# Altium PCB PlacaBase_agus.PcbDoc (part 2 of 2)
Units mm, origin at the board's own origin, x right, y up, seen from the top; angles counter-clockwise.
Board outline 97 x 84 mm, 2 copper layers (Top Layer, Bottom Layer); 60 components, 90 nets, 320 pads, 136 vias.
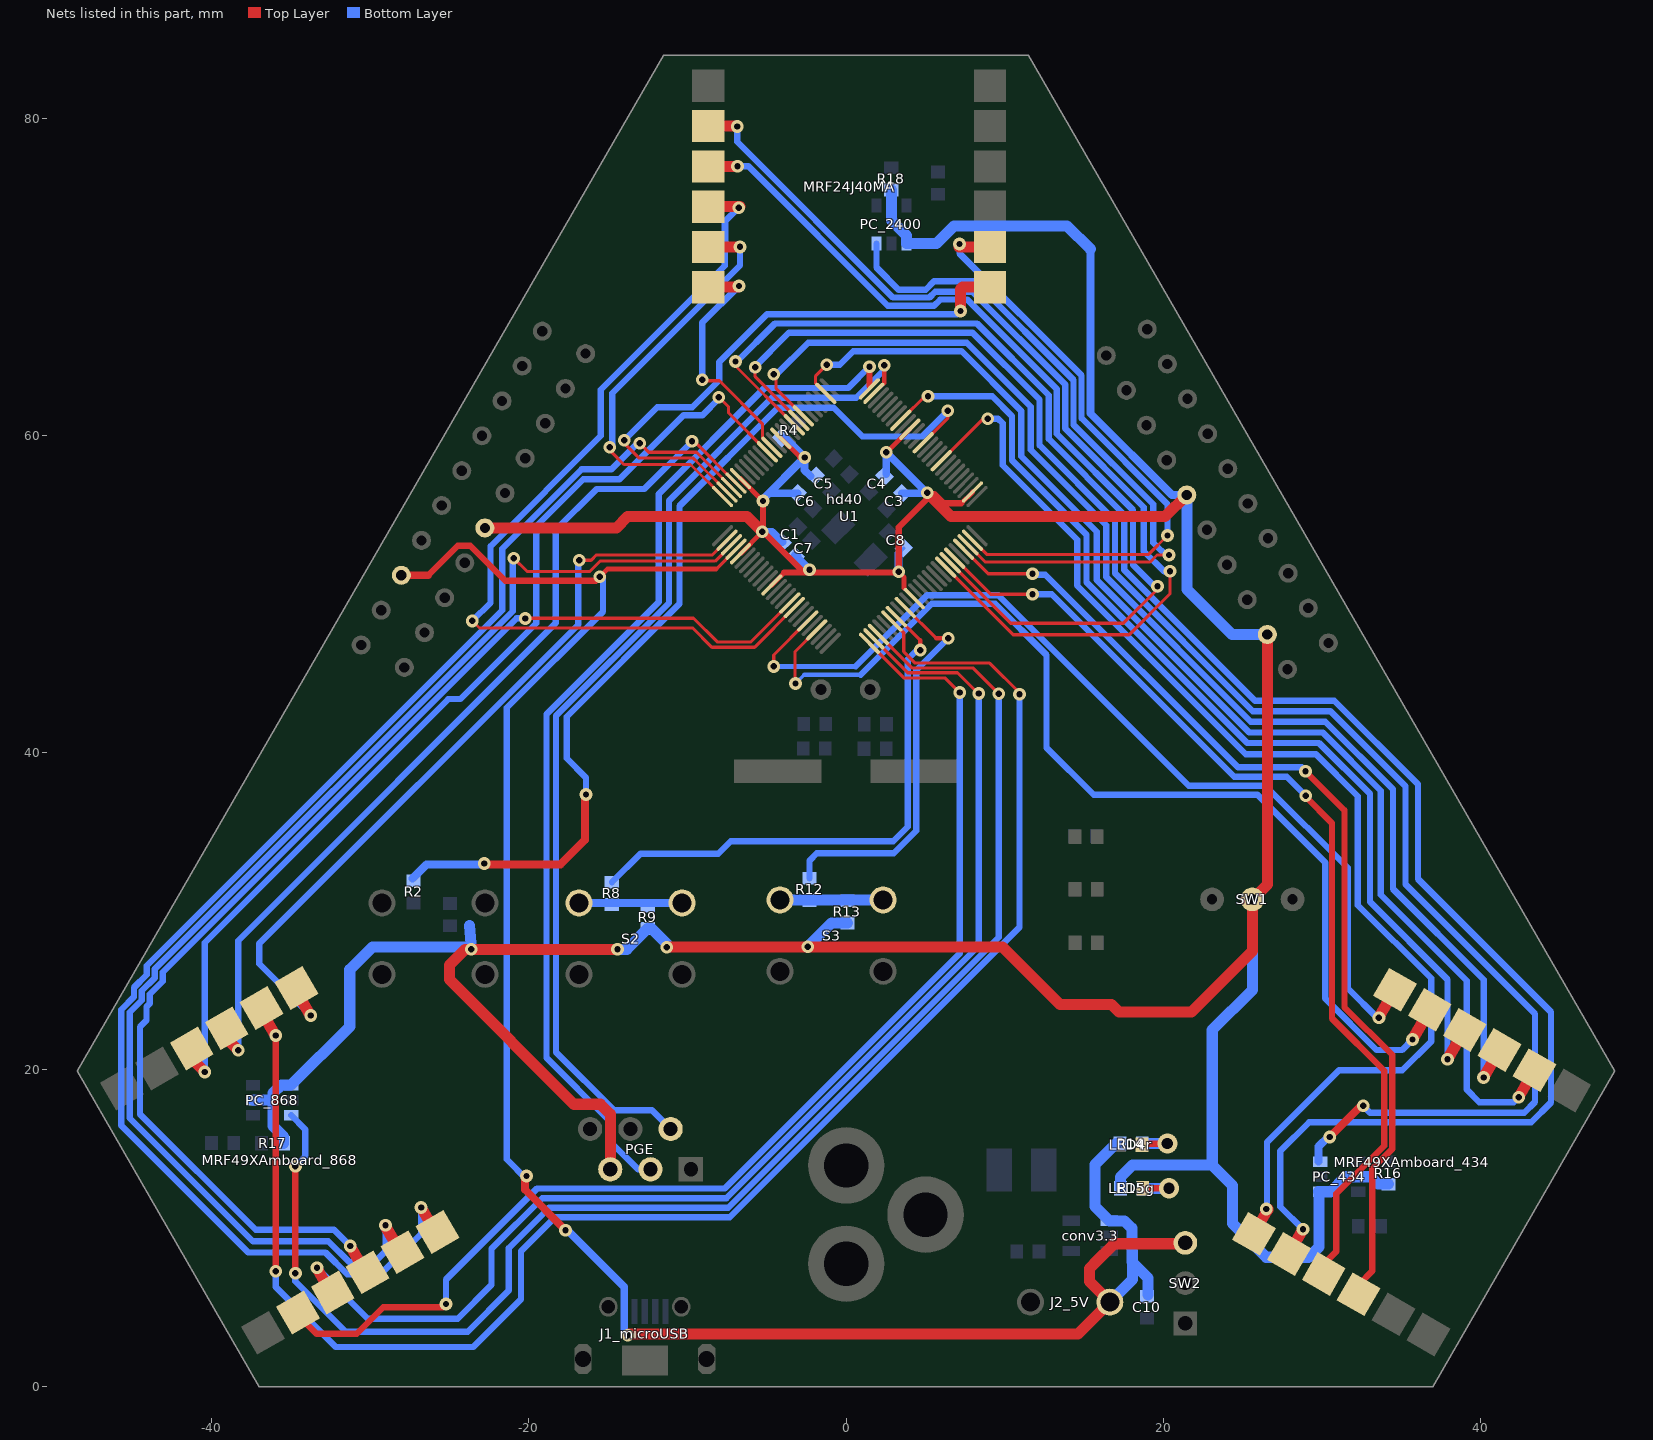
[diagram p2: the nets of this part, all layers, seen from the top]

## Via types
v1: diameter 0.8, hole 0.4, Top Layer to Bottom Layer, 119 vias
v2: diameter 3.8, hole 3.3, Top Layer to Bottom Layer, 8 vias
v3: diameter 1.27, hole 0.711, Top Layer to Bottom Layer, 7 vias
v4: diameter 3.302, hole 3.302, Top Layer to Bottom Layer, 2 vias

## Nets (pads, with @x,y where several pads share a name; then routed paths per layer and width w, separated by ;. In a path a pad name is that pad's centre, name@x,y a point inside that pad or via, vN(x,y) a via of type N, cw(c..) or ccw(c..) an arc to the next point about the centre after c; other vN are vias at no path point) (continued)
NetLED4r_1: LED4r.1 R14.2 | length 3.2
  Top Layer w0.4: LED4r.1@18.74,15.34 v3(20.27,15.34)
  Top Layer w0.7: LED4r.1@18.67,15.27 LED4r.1@18.74,15.34
  Bottom Layer w0.7: R14.2@18.68,15.34 v3(20.27,15.34)
NetLED5g_1: LED5g.1 R15.1 | length 3.3
  Top Layer w0.4: LED5g.1@18.71,12.52 v3(20.37,12.52)
  Bottom Layer w0.7: R15.1@18.71,12.52 v3(20.37,12.52)
NetMRF24J40MA_2: MRF24J40MA.2 U1.93 | length 63.6
  Top Layer w0.2: U1.93@6.286,51.703 10.549,47.44 17.86,47.44 20.44,50.02 v1(20.44,51.44) v1@20.44,51.13
  Top Layer w0.7: MRF24J40MA.2@-8.69,79.522 -6.882,79.522 v1(-6.86,79.5)
  Bottom Layer w0.4: v1(-6.86,79.5) -6.86,78.53 2.96,68.71 5.27,68.71 5.64,69.08 7.96,69.08 13.82,63.22 13.82,60.45 18.79,55.48 18.79,52.71 20.06,51.44 v1(20.44,51.44)
NetMRF24J40MA_3: MRF24J40MA.3 U1.94 | length 59.3
  Top Layer w0.2: U1.94@6.569,51.986 10.394,48.16 17.5,48.16 19.65,50.31 v1(19.65,50.5)
  Top Layer w0.7: MRF24J40MA.3@-8.69,76.982 v1(-6.848,76.982)
  Bottom Layer w0.4: v1(-6.848,76.982) -6.152,76.982 2.64,68.19 5.55,68.19 5.94,68.58 7.66,68.58 13.3,62.94 13.3,60.11 18.1,55.31 18.1,51.86 19.65,50.31 v1(19.65,50.5)
NetMRF24J40MA_4: MRF24J40MA.4 U1.67 | length 58.7
  Top Layer w0.2: v1(-23.57,48.31) -23.12,47.86 -19.991,47.86 -19.981,47.87 -9.68,47.87 -8.46,46.65 -5.767,46.65 U1.67@-3.26,49.157
  Top Layer w0.7: MRF24J40MA.4@-8.69,74.442 -6.702,74.442 v1(-6.764,74.38)
  Bottom Layer w0.2: -15.47,59.98 -15.455,59.965
  Bottom Layer w0.4: v1(-23.57,48.31) -22.42,49.46 -22.42,53.03 -15.47,59.98 -15.47,62.9 -7.65,70.72 -7.65,73.494 ; -7.61,71.97 -7.61,73.534 v1(-6.764,74.38)
NetMRF24J40MA_5: MRF24J40MA.5 U1.50 | length 26.2
  Top Layer w0.2: v1@-14.77,58.94 -14.011,58.18 -9.808,58.18 U1.50@-7.786,56.157
  Top Layer w0.7: MRF24J40MA.5@-8.69,71.902 v1(-6.682,71.902)
  Bottom Layer w0.2: v1(-14.91,59.27) v1@-14.74,59.44
  Bottom Layer w0.4: v1@-14.74,59.44 -14.74,62.68 -6.682,70.738 v1(-6.682,71.902)
NetMRF24J40MA_6: MRF24J40MA.6 U1.39 | length 15.3
  Top Layer w0.2: v1@-8.88,63.47 -8.87,63.46 -7.98,63.46 -5.275,60.755 -5.275,59.869 U1.39@-4.674,59.269
  Top Layer w0.7: MRF24J40MA.6@-8.69,69.362 -6.828,69.362 v1(-6.75,69.44)
  Bottom Layer w0.4: v1(-9.06,63.52) -9.06,67.13 v1(-6.75,69.44)
NetMRF24J40MA_7: MRF24J40MA.7 U1.49 | length 36.4
  Top Layer w0.2: v1@-13.85,59.38 -13.05,58.58 -9.64,58.58 -9.4,58.34 ; -9.49,58.43 U1.49@-7.503,56.44
  Top Layer w0.7: v1(7.22,67.86) 7.22,69.242 7.34,69.362 MRF24J40MA.7@9.09,69.362
  Bottom Layer w0.2: v1@-14.12,59.57 v1(-13.99,59.7)
  Bottom Layer w0.4: v1(-13.99,59.7) -11.9,61.79 -9.7,61.79 -7.99,63.5 -7.99,64.64 -4.98,67.65 7.01,67.65 v1(7.22,67.86)
NetMRF24J40MA_8: MRF24J40MA.8 U1.99 | length 39.1
  Top Layer w0.2: U1.99@7.983,53.4 8.873,52.51 19.09,52.51 v1(20.28,53.7)
  Top Layer w0.7: v1(7.16,72.09) 7.16,71.92 7.142,71.902 MRF24J40MA.8@9.09,71.902
  Bottom Layer w0.2: v1@7.16,71.92 v1(7.16,72.09)
  Bottom Layer w0.4: v1@7.16,71.92 7.16,71.49 14.86,63.79 14.86,61.1 20.28,55.68 v1(20.28,53.7)
NetMRF49XAmboard_434_2: MRF49XAmboard_434.2 U1.27 | length 79.5
  Top Layer w0.2: v1@-1.43,64.25 v1(-1.22,64.46) ; U1.27@-1.28,62.663 -1.916,63.299 -1.916,63.766 v1@-1.223,64.46
  Top Layer w0.7: v1(42.435,18.27) MRF49XAmboard_434.2@43.339,19.836
  Bottom Layer w0.2: 42.115,17.95 v1(42.435,18.27)
  Bottom Layer w0.4: v1(-1.22,64.46) -0.4,64.46 0.45,65.31 7.29,65.31 11.05,61.55 11.05,58.691 15.81,53.931 15.81,50.89 25.43,41.27 30.07,41.27 33.74,37.6 33.74,31.03 39.15,25.62 39.15,18.75 39.95,17.95 42.115,17.95
NetMRF49XAmboard_434_3: MRF49XAmboard_434.3 U1.32 | length 80.7
  Top Layer w0.2: v1(-4.56,63.87) -4.41,63.72 -4.41,62.964 U1.32@-2.694,61.249
  Top Layer w0.7: v1(40.218,19.51) MRF49XAmboard_434.3@41.139,21.106
  Bottom Layer w0.4: v1@-4.38,63.86 -2.38,65.86 7.61,65.86 11.66,61.81 11.66,59.1 16.41,54.35 16.41,51.08 25.53,41.96 30.24,41.96 34.5,37.7 34.5,31.4 40.218,25.682 v1(40.218,19.51)
NetMRF49XAmboard_434_4: MRF49XAmboard_434.4 U1.18 | length 65
  Top Layer w0.2: U1.18@3.457,60.966 5.17,62.678 v1(5.17,62.48)
  Top Layer w0.7: v1(37.946,20.654) MRF49XAmboard_434.4@38.94,22.376
  Bottom Layer w0.4: v1(5.17,62.48) 9.22,62.48 10.47,61.23 10.47,58.44 15.17,53.74 15.17,50.74 25.3,40.61 29.84,40.61 33.05,37.4 33.05,30.59 37.946,25.694 v1(37.946,20.654)
NetMRF49XAmboard_434_5: MRF49XAmboard_434.5 U1.72 | length 67.1
  Top Layer w0.2: v1@-3.22,44.67 -3.22,46.369 U1.72@-1.846,47.743
  Top Layer w0.7: v1(35.736,21.907) MRF49XAmboard_434.5@36.74,23.646
  Bottom Layer w0.2: v1(-3.19,44.36) -2.63,44.92
  Bottom Layer w0.3: -2.63,44.92 0.93,44.92
  Bottom Layer w0.4: 0.93,44.92 5.41,49.4 9.41,49.4 12.65,46.16 12.65,40.31 15.62,37.34 25.96,37.34 30.23,33.07 30.23,24.49 33.48,21.24 35.069,21.24 v1(35.736,21.907)
NetMRF49XAmboard_434_6: MRF49XAmboard_434.6 U1.70 | length 61.1
  Top Layer w0.2: v1(-4.56,45.44) -4.56,46.16 U1.70@-2.412,48.309
  Top Layer w0.7: v1@33.609,23.303 MRF49XAmboard_434.6@34.54,24.916
  Bottom Layer w0.3: v1(-4.56,45.44) 0.616,45.44
  Bottom Layer w0.4: 0.616,45.44 5.106,49.93 9.6,49.93 21.61,37.92 26.45,37.92 31.64,32.73 31.64,25.15 v1@33.56,23.23
  other v1: 33.615,23.28
NetMRF49XAmboard_434_7: MRF49XAmboard_434.7 U1.9 | length 77.4
  Top Layer w0.2: U1.9@6.003,58.42 8.652,61.07 v1(8.95,61.07)
  Top Layer w0.7: MRF49XAmboard_434.7@25.65,9.518 25.729,9.654 26.602,11.166 26.631,11.217 26.628,11.22 v1(26.51,11.22)
  Bottom Layer w0.2: v1(8.95,61.07) v1@9.1,61.22
  Bottom Layer w0.4: v1(8.95,61.07) 9.59,61.07 9.88,60.78 9.88,58.13 14.58,53.43 14.58,50.54 25.22,39.9 29.65,39.9 32.29,37.26 32.29,30.38 36.91,25.76 36.91,21.78 35.09,19.96 31.1,19.96 26.56,15.42 26.56,11.27 v1(26.51,11.22)
NetMRF49XAmboard_434_8: MRF49XAmboard_434.8 U1.34 | length 114.5
  Top Layer w0.2: v1(-6.97,64.67) -6.97,64.393 U1.34@-3.26,60.683
  Top Layer w0.7: MRF49XAmboard_434.8@27.85,8.248 27.929,8.384 v1(28.824,9.935)
  Bottom Layer w0.4: v1@-6.915,64.635 -4.48,67.07 8.26,67.07 12.78,62.55 12.78,59.79 17.56,55.01 17.56,51.52 25.8,43.28 30.8,43.28 36.08,38 36.08,32.03 44.47,23.64 44.47,17.93 43.22,16.68 29.21,16.68 27.4,14.87 27.4,13.322 ; 27.4,13.252 27.4,11.358 v1(28.824,9.935)
NetMRF49XAmboard_434_9: MRF49XAmboard_434.9 U1.95 | length 62.1
  Top Layer w0.2: U1.95@6.851,52.268 9.13,49.99 v1(11.76,49.99)
  Top Layer w0.4: v1@28.965,37.245 30.66,35.55 30.66,23.23 33.95,19.94 33.95,15.21 30.92,12.18 30.92,8.53 MRF49XAmboard_434.9@30.136,7.746
  Top Layer w0.7: MRF49XAmboard_434.9@30.136,7.11 MRF49XAmboard_434.9@30.136,7.746
  Bottom Layer w0.4: v1(11.76,49.99) 12.98,49.99 24.49,38.48 27.8,38.48 v1(29,37.28)
NetMRF49XAmboard_434_10: MRF49XAmboard_434.10 U1.97 | length 63.5
  Top Layer w0.2: U1.97@7.417,52.834 8.961,51.29 v1(11.76,51.29)
  Top Layer w0.4: v1(28.98,38.83) 31.44,36.37 31.44,23.95 34.45,20.94 34.45,15.003 33.19,13.743 33.19,7.3 MRF49XAmboard_434.10@32.336,6.446
  Top Layer w0.7: MRF49XAmboard_434.10@32.336,5.84 MRF49XAmboard_434.10@32.336,6.446
  Bottom Layer w0.4: v1(11.76,51.29) 11.83,51.22 12.56,51.22 12.57,51.23 24.73,39.07 28.74,39.07 v1(28.98,38.83)
NetMRF49XAmboard_868_2: MRF49XAmboard_868.2 U1.76 | length 76.7
  Top Layer w0.2: v1@-25.43,5.02 v1(-25.23,5.22) ; U1.76@1.477,46.894 3.672,44.7 6.27,44.7 v1(7.18,43.79)
  Top Layer w0.4: MRF49XAmboard_868.2@-34.673,4.624 -33.4,3.35 -30.86,3.35 -29.19,5.02 v1@-25.43,5.02
  Top Layer w0.7: MRF49XAmboard_868.2@-34.673,4.624 MRF49XAmboard_868.2@-34.671,4.619
  Bottom Layer w0.4: v1(-25.23,5.22) -25.23,6.77 -19.49,12.51 -7.64,12.51 7.18,27.33 v1(7.18,43.79)
NetMRF49XAmboard_868_3: MRF49XAmboard_868.3 U1.77 | length 80.1
  Top Layer w0.2: U1.77@1.76,47.177 3.897,45.04 7.03,45.04 v1@8.36,43.71 ; v1@8.16,43.74 8.19,43.71 v1@8.36,43.71 ; v1(8.38,43.73) v1@8.36,43.71
  Top Layer w0.7: v1@-33.392,7.484 -32.474,5.894 MRF49XAmboard_868.3@-32.471,5.889
  Bottom Layer w0.4: v1(-33.367,7.506) -30.13,4.27 ; -30.01,4.3 -24.49,4.3 -22.36,6.43 -22.36,8.7 -19.16,11.9 -7.543,11.9 8.38,27.823 v1(8.38,43.73)
NetMRF49XAmboard_868_4: MRF49XAmboard_868.4 U1.66 | length 79
  Top Layer w0.2: v1@-20.33,48.6 -20.24,48.51 v1(-20.24,48.46) ; v1@-19.96,48.48 -9.62,48.48 -8.13,46.99 -5.993,46.99 U1.66@-3.543,49.44 ; v1@-19.96,48.48 -19.79,48.48
  Top Layer w0.7: v1(-31.265,8.88) -30.274,7.164 MRF49XAmboard_868.4@-30.271,7.159
  Bottom Layer w0.2: v1(-31.265,8.88) v1@-31.11,9.035
  Bottom Layer w0.4: v1(-31.265,8.88) -32.295,9.91 -37.24,9.91 -44.53,17.2 -44.53,22.12 -44.53,22.7 -44.12,23.11 -44.12,23.975 -43.915,24.18 -43.915,24.771 -43.107,25.579 -43.107,26.143 -20.78,48.47 v1@-20.24,48.47
NetMRF49XAmboard_868_5: MRF49XAmboard_868.5 U1.53 | length 83.9
  Top Layer w0.2: v1(-20.95,52.26) -20.125,51.435 ; -20.125,51.42 -16.18,51.42 -15.52,52.08 -8.257,52.08 U1.53@-7.22,53.117
  Top Layer w0.7: v1@-29.075,10.168 -28.074,8.434 MRF49XAmboard_868.5@-28.071,8.429
  Bottom Layer w0.4: v1(-29.05,10.19) -29.05,8.54 -29.72,7.87 -31.34,7.87 -32.66,9.19 -37.41,9.19 -45.17,16.95 -45.17,23.632 -44.415,24.387 -44.415,24.978 -43.607,25.786 -43.607,26.35 -21.03,48.927 -21.03,52.18 v1(-20.95,52.26)
NetMRF49XAmboard_868_6: MRF49XAmboard_868.6 U1.48 | length 92.1
  Top Layer w0.2: v1(-13.01,59.52) -12.44,58.95 -9.43,58.95 -7.22,56.74 U1.48@-7.22,56.723
  Top Layer w0.7: v1(-26.803,11.311) -25.875,9.704 MRF49XAmboard_868.6@-25.872,9.699
  Bottom Layer w0.4: v1(-26.803,11.311) -26.803,9.647 -29.36,7.09 -31.45,7.09 -32.83,8.47 -37.71,8.47 -45.722,16.482 -45.722,23.787 -44.915,24.595 -44.915,25.186 -44.107,25.993 -44.107,26.557 -21.69,48.974 -21.69,52.87 -16.68,57.88 -14.79,57.88 -13.15,59.52 v1(-13.01,59.52)
NetMRF49XAmboard_868_7: MRF49XAmboard_868.7 U1.52 | length 50.4
  Top Layer w0.2: v1(-16.83,52.14) -16.08,52.14 -15.75,52.47 -8.433,52.47 U1.52@-7.503,53.4
  Top Layer w0.7: MRF49XAmboard_868.7@-34.762,25.097 -33.784,23.403 v1@-33.781,23.397
  Bottom Layer w0.4: v1(-33.755,23.42) -37.01,26.674 -37.01,27.96 -16.89,48.08 -16.89,52.2 v1(-16.83,52.14)
NetMRF49XAmboard_868_8: MRF49XAmboard_868.8 U1.81 | length 104.1
  Top Layer w0.2: U1.81@2.892,48.309 3.64,47.56 3.64,46.38 3.635,46.375 4.36,45.65 9.06,45.65 v1@10.98,43.73
  Top Layer w0.4: v1(-35.962,7.289) v1(-35.962,22.162)
  Top Layer w0.7: MRF49XAmboard_868.8@-36.961,23.827 -35.991,22.145 v1@-35.987,22.14
  Bottom Layer w0.4: v1@-35.962,6.976 -35.962,6.292 -32.18,2.51 -23.51,2.51 -20.5,5.52 -20.5,8.56 -18.36,10.7 -7.329,10.7 10.94,28.969 v1(10.94,43.69)
NetMRF49XAmboard_868_9: MRF49XAmboard_868.9 U1.47 | length 57.4
  Top Layer w0.2: v1@-9.571,59.64 U1.47@-6.937,57.006
  Top Layer w0.7: MRF49XAmboard_868.9@-39.066,22.618 -39.066,21.956 v1(-38.34,21.23)
  Bottom Layer w0.4: v1(-38.34,21.23) -38.34,28.14 -18.3,48.18 -18.3,54.05 -15.715,56.635 -12.715,56.635 v1(-9.71,59.64)
NetMRF49XAmboard_868_10: MRF49XAmboard_868.10 U1.40 | length 65
  Top Layer w0.2: v1@-8.01,62.42 -7.41,61.82 -7.41,61.439 U1.40@-4.957,58.986
  Top Layer w0.7: MRF49XAmboard_868.10@-41.266,21.348 -41.266,20.686 v1(-40.44,19.86)
  Bottom Layer w0.4: v1(-40.44,19.86) -40.44,28.02 -25.08,43.38 -24.33,43.38 -19.54,48.17 -19.54,54.28 -16.57,57.25 -14.29,57.25 -10.25,61.29 -9.05,61.29 -8.02,62.32 v1(-8.02,62.41)
NetPC_434_6: PC_434.6 U1.33 | length 101.5
  Top Layer w0.2: v1(-5.73,64.32) -5.73,63.718 U1.33@-2.977,60.966 ; v1@32.48,17.72 v1(32.62,17.72)
  Top Layer w0.5: v1(30.52,15.76) v1@32.48,17.72
  Bottom Layer w0.4: v1@-5.9,64.19 -3.6,66.49 7.98,66.49 12.21,62.26 12.21,59.4 16.97,54.64 16.97,51.31 25.66,42.62 30.56,42.62 35.29,37.89 35.29,31.69 43.46,23.52 43.46,17.96 42.79,17.29 33.05,17.29 v1(32.62,17.72)
  Bottom Layer w0.5: PC_434.6@29.81,14.2 29.81,15.15 30.42,15.76 v1(30.52,15.76)
NetPC_868_6: PC_868.6 U1.78 | length 93.1
  Top Layer w0.2: U1.78@2.043,47.46 4.153,45.35 8,45.35 v1(9.63,43.72)
  Top Layer w0.4: v1(-34.73,7.17) v1(-34.73,13.906)
  Bottom Layer w0.4: PC_868.6@-35,17.13 -34.1,16.23 -34.1,14.536 v1(-34.73,13.906) ; v1(-34.73,7.17) -34.73,6.66 -31.55,3.48 -23.87,3.48 -21.28,6.07 -21.28,8.75 -18.73,11.3 -7.436,11.3 9.63,28.366 v1(9.63,43.72)
NetPC_2400_6: PC_2400.6 U1.98 | length 44.2
  Top Layer w0.2: U1.98@7.7,53.117 8.787,52.03 19.18,52.03 19.62,52.47 v1(20.37,52.47)
  Bottom Layer w0.4: PC_2400.6@1.92,72.12 1.92,70.6 3.31,69.21 5.02,69.21 5.55,69.74 8.12,69.74 14.35,63.51 14.35,60.69 19.38,55.66 19.38,53.25 v1@20.28,52.35
NetPGE_2: PGE.2 U1.24 | length 66.3
  Top Layer w0.2: U1.24@1.76,62.663 2.41,63.313
  Top Layer w0.3: 2.41,63.313 v1(2.41,64.43)
  Bottom Layer w0.2: v1@2.41,64.16 v1(2.41,64.43)
  Bottom Layer w0.4: PGE.2@-11.06,16.26 -12.24,17.44 -14.62,17.44 -18.29,21.11 -18.29,42.32 -11.16,49.45 -11.16,55.91 -4.68,62.39 0.64,62.39 v1@2.41,64.16
NetPGE_3: PGE.3 U1.25 | length 66.5
  Top Layer w0.4: 1.477,63.14 v1(1.477,64.343)
  Bottom Layer w0.2: -13.12,13.72 PGE.3@-12.33,13.72
  Bottom Layer w0.4: -13.12,13.72 -14.96,15.56 -14.96,16.82 -18.89,20.75 -18.89,42.43 -11.82,49.5 -11.82,56.32 -5.14,63 0.135,63 v1(1.477,64.343)
NetR2_2: R2.2 U1.13 | length 59.9
  Top Layer w0.2: U1.13@4.872,59.552 6.42,61.1 v1(6.42,61.56)
  Top Layer w0.5: v1@-22.77,32.94 -18.02,32.94 -16.46,34.5 -16.46,37.3 v1(-16.4,37.36)
  Bottom Layer w0.4: v1(-16.4,37.36) -16.4,38.42 -17.62,39.64 -17.62,42.27 -10.5,49.39 -10.5,55.56 -4.31,61.75 -0.77,61.75 1.02,59.96 ; 1.101,59.94 4.81,59.94 v1@6.425,61.555
  Bottom Layer w0.5: R2.2@-27.34,32.06 -26.46,32.94 v1@-22.77,32.94
  other v1: -22.81,33.01
NetR8_1: R8.1 R9.1 S2.1 | length 6.5
  Bottom Layer w0.5: S2.1@-16.84,30.52 S2.1@-10.34,30.52
NetR8_2: R8.2 U1.82 | length 34.5
  Top Layer w0.2: U1.82@3.174,48.591 4.68,47.086
  Top Layer w0.3: v1(4.68,46.47) 4.68,47.086
  Bottom Layer w0.4: R8.2@-14.765,31.815 -12.96,33.62 -8.06,33.62 -7.27,34.41 2.98,34.41 3.89,35.32 3.89,45.89 4.47,46.47 v1(4.68,46.47)
NetR12_1: R12.1 R13.1 S3.1 | length 8.1
  Bottom Layer w0.4: 0.804,30.72 S3.1@2.44,30.72
  Bottom Layer w0.7: S3.1@-4.16,30.71 S3.1@2.34,30.71
NetR12_2: R12.2 U1.84 | length 25.1
  Top Layer w0.2: U1.84@3.74,49.157 5.687,47.21
  Top Layer w0.3: 5.687,47.21 v1(6.44,47.21)
  Bottom Layer w0.4: R12.2@-2.3,32.07 -2.3,33.19 -1.84,33.65 3.01,33.65 4.43,35.07 4.43,45.2 v1(6.44,47.21)
VCC: C1.1 C3.2 C4.2 C5.2 C6.2 C7.2 C8.2 hd40.14 hd40.24 hd40.28 PC_434.2 PC_434.4 PC_868.2 PC_868.4 PC_2400.2 PC_2400.4 PGE.5 R4.2 R9.2 R13.2 R15.2 R16.1 R17.1 R18.1 SW1.2 U1.2 U1.16 U1.37 U1.46 U1.55 U1.62 U1.86 | length 301.9
  Top Layer w0.2: v1@2.54,58.917 v1(2.54,58.95) ; v1@3.27,51.36 v1(3.32,51.41) ; 3.66,50.369 U1.86@4.306,49.723 ; v1(5.13,56.39) 5.62,56.39 6.28,55.73
  Top Layer w0.3: U1.55@-6.654,52.551 v1(-5.275,53.93) ; U1.46@-6.654,57.289 v1(-5.24,55.875) ; U1.62@-4.674,50.571 -3.886,51.36 ; U1.37@-4.109,59.834 v1@-2.894,58.62 ; v1@2.54,58.917 U1.16@4.023,60.4 ; v1(3.32,51.41) 3.66,51.07 3.66,50.369 ; 7.273,55.73 U1.2@7.983,56.44
  Top Layer w0.4: v1(-5.24,55.875) -5.24,53.965 v1@-2.635,51.36 ; -3.886,51.36 v1@-2.635,51.36 ; v1@-2.894,58.62 v1(-2.61,58.62) ; v1@3.27,51.36 v1@-2.635,51.36 ; v1(3.32,51.41) 3.32,54.21 5.315,56.205 v1(5.13,56.39) ; 6.28,55.73 7.273,55.73
  Top Layer w0.7: hd40.14@-22.777,54.174 -14.486,54.174 -13.77,54.89 -6.235,54.89 v1(-5.275,53.93) ; PGE.5@-14.85,13.72 -14.85,17.19 -15.48,17.82 -17.16,17.82 -25.02,25.68 -25.02,26.61 -24.04,27.59 v1(-23.63,27.59) v1(-14.41,27.59) ; v1(-11.3,27.73) -8.98,27.73 -8.96,27.75 v1@-2.52,27.75 ; v1@-2.46,27.75 v1(-2.42,27.75) 9.88,27.75 13.51,24.12 16.75,24.12 17.22,23.65 21.78,23.65 25.63,27.5 SW1.2@25.63,30.75 26.577,31.697 hd40.28@26.577,47.454 ; v1@5.315,56.205 6.63,54.89 20.134,54.89 hd40.24@21.497,56.253
  Bottom Layer w0.2: v1@-5.24,55.99 v1(-5.24,55.875) -4.75,56.365 ; 3.32,52.57 C8.2@3.645,52.895 ; v1@5.1,56.39 v1(5.13,56.39)
  Bottom Layer w0.4: R4.2@-4.085,59.855 R4.2@-3.845,59.855
  Bottom Layer w0.5: v1(-5.275,53.93) -4.67,53.93 C1.1@-4.015,53.275 ; v1@-5.24,55.99 v1(-2.61,58.62) ; -4.75,56.365 C6.2@-3.065,56.365 ; R4.2@-3.845,59.855 v1(-2.61,58.62) ; C7.2@-3.155,52.385 v1(-2.3,51.53) ; C5.2@-2.225,57.435 -2.61,57.82 v1(-2.61,58.62) ; C4.2@2.54,57.56 v1(2.54,58.95) v1@5.1,56.39 ; v1(3.32,51.41) 3.32,52.57 ; C3.2@3.545,56.365 v1@4.985,56.365 ; 15.41,71.76 15.41,61.41 20.567,56.253 hd40.24@21.497,56.253
  Bottom Layer w0.7: PC_868.2@-37.4,18.08 -36.4,18.08 ; R17.1@-35.47,15.36 -35.47,15.78 -36.13,16.44 -36.13,18.53 -35.62,19.04 -35.01,19.04 PC_868.4@-35,19.03 -31.3,22.73 -31.3,26.32 -29.87,27.75 -23.79,27.75 v1(-23.63,27.59) -23.76,29.08 ; v1(-14.41,27.59) -13.83,27.59 R9.2@-12.51,28.91 -12.28,28.91 -11.3,27.93 v1(-11.3,27.73) ; C7.2@-3.165,52.385 C7.2@-3.155,52.385 ; v1(-2.42,27.75) -0.91,29.26 R13.2@0.09,29.26 ; R18.1@2.86,75.49 2.87,75.48 PC_2400.2@2.87,74.52 2.87,73.58 3.82,72.63 PC_2400.4@3.82,72.12 5.7,72.12 6.81,73.23 13.94,73.23 15.41,71.76 ; R15.2@17.31,12.52 17.31,13.22 18.07,13.98 23.1,13.98 ; hd40.24@21.497,56.253 21.497,50.303 24.346,47.454 hd40.28@26.577,47.454 ; SW1.2@25.63,30.75 25.63,25.04 23.1,22.51 23.1,13.98 ; PC_434.4@29.81,12.3 PC_434.4@29.84,12.3 ; R16.1@34.22,12.78 34.21,12.79 33.55,12.79 33.09,13.25 PC_434.2@32.31,13.25 31.51,13.25 30.56,12.3 PC_434.4@29.91,12.3 PC_434.4@29.84,12.3 ; 23.1,13.98 24.39,12.69 24.39,10.29 26.51,8.17 29.185,8.17 29.84,8.825 PC_434.4@29.84,12.3
VCC5.0_POWER: C10.2 conv3.3.1 hd40.07 J1_microUSB.1 J2_5V.1 R14.1 SW2.3 U1.54 | length 135.7
  Top Layer w0.2: v1@-20.24,13.11 v1@-20.05,13.3 ; v1@-15.79,50.85 v1(-15.54,51.1) ; -8.191,51.58 U1.54@-6.937,52.834
  Top Layer w0.3: v1(-15.54,51.1) -15.06,51.58 -8.191,51.58
  Top Layer w0.4: -26.361,51.189 -24.49,53.06 -23.7,53.06 -21.49,50.85 v1@-15.79,50.85
  Top Layer w0.5: hd40.07@-28.046,51.189 -26.361,51.189 ; v1@-20.24,13.11 -20.24,12.43 v1(-17.69,9.88)
  Top Layer w0.7: v1(-13.76,3.26) -13.68,3.34 14.64,3.34 J2_5V.1@16.64,5.34 15.35,6.63 15.35,7.45 16.41,8.51 ; 15.64,7.77 16.89,9.02 SW2.3@21.03,9.02
  Bottom Layer w0.2: v1@-20.15,13.1 v1(-20.15,13.3) ; v1(-17.69,9.88) v1@-17.57,9.88 ; v1(-15.54,51.1) -15.54,51.2 -15.52,51.22 v1@-15.33,51.03
  Bottom Layer w0.4: v1@-20.15,13.1 -21.4,14.35 -21.4,42.83 -15.33,48.9 v1@-15.33,51.03 ; v1@-13.99,3.526 J1_microUSB.1@-13.99,4.08
  Bottom Layer w0.5: v1@-17.57,9.88 -13.99,6.3 v1@-13.99,3.526 ; R14.1@17.04,15.34 R14.1@17.28,15.34
  Bottom Layer w0.7: J2_5V.1@16.64,5.34 18.07,6.77 18.07,7.85 ; R14.1@17.04,15.34 15.71,14.01 15.71,11.37 conv3.3.1@16.61,10.47 17.58,10.47 18.05,10 18.05,7.87 18.07,7.85 ; 18.07,8.57 18.07,7.85 ; C10.2@19.06,5.8 19.06,6.86 18.07,7.85
pads on no net: MRF24J40MA.9 PC_434.5 PC_868.5 PC_2400.5 PGE.1 R1.2 U1.1 U1.7 U1.8 U1.17 U1.23 U1.26 U1.38 U1.79 U1.80 U1.89 U1.90 U1.92 U1.96 U1.100
copper on no net: | length 91.1
  Top Layer w0.254: -31.676,39.164 cw(c-26.929,37.455) -22.252,39.344 ; -31.667,35.395 ccw(c-26.989,37.285) -22.243,35.576 ; -31.661,39.149 cw(c-26.899,34.385) -22.293,39.3 ; -31.525,35.519 ccw(c-26.919,40.435) -22.158,35.67
  Bottom Layer w0.3: -48.5,19.92 -37,0 ; 37,0 48.5,19.92
  other v2: -27.5,21.19 -15.17,21.19 15.13,21.19 27.5,21.19 -15.17,41.19 15.13,41.19 -12.6,70.4 12.6,70.4
  other v4: -18.045,7.37 -7.885,7.37

## Polygon pours and split planes (outlines as drawn)
no net on Top Layer "GND" (none, remove dead copper, shelved, pour order 21): -31.525,35.993 ccw(c-26.73,37.93) -21.868,36.166 ccw(c-26.66,41.08) -21.808,36.225 ccw(c-21.898,36.315) -21.771,36.315 ccw(c-21.898,36.315) -21.988,36.406 cw(c-26.66,41.08) -31.179,36.258 ccw(c-31.266,36.165) -31.393,36.167 ccw(c-31.407,36.04)
no net on Top Layer "GND" (none, remove dead copper, shelved, pour order 21): -86.027,29.965 ccw(c-81.231,31.902) -76.37,30.138 ccw(c-81.161,35.052) -76.309,30.198 ccw(c-76.399,30.288) -76.272,30.288 ccw(c-76.399,30.288) -76.489,30.378 cw(c-81.161,35.052) -85.68,30.23 ccw(c-85.767,30.137) -85.894,30.14 ccw(c-85.908,30.013)
no net on Top Layer "GND" (none, remove dead copper, shelved, pour order 17): -70.235,31.303 ccw(c-65.44,33.24) -60.578,31.476 ccw(c-65.37,36.39) -60.518,31.535 ccw(c-60.608,31.625) -60.481,31.625 ccw(c-60.608,31.625) -60.698,31.716 cw(c-65.37,36.39) -69.889,31.568 ccw(c-69.976,31.475) -70.103,31.477 ccw(c-70.117,31.35)
no net on Top Layer "GND" (none, remove dead copper, shelved, pour order 19): -70.235,31.303 ccw(c-65.44,33.24) -60.578,31.476 ccw(c-65.37,36.39) -60.518,31.535 ccw(c-60.608,31.625) -60.481,31.625 ccw(c-60.608,31.625) -60.698,31.716 cw(c-65.37,36.39) -69.889,31.568 ccw(c-69.976,31.475) -70.103,31.477 ccw(c-70.117,31.35)
no net on Top Layer "GND" (none, remove dead copper, shelved, pour order 15): -70.235,31.303 ccw(c-65.44,33.24) -60.578,31.476 ccw(c-65.37,36.39) -60.518,31.535 ccw(c-60.608,31.625) -60.481,31.625 ccw(c-60.608,31.625) -60.698,31.716 cw(c-65.37,36.39) -69.889,31.568 ccw(c-69.976,31.475) -70.103,31.477 ccw(c-70.117,31.35)
no net on Top Layer "GND" (solid, remove dead copper, shelved, pour order 5): -20.371,37.62 -20.454,37.703 -20.454,38.577 -20.454,38.702 -20.579,38.826 -20.703,38.951 -20.703,39.076 -20.724,39.076 -20.931,39.284 -21.138,39.492 -21.159,39.492 -21.242,39.492 -21.366,39.617 -21.532,39.783 -21.739,39.783 -22.148,39.783 -22.215,39.85 -22.231,39.866 -22.692,39.866 -22.941,39.866 -23.065,39.742 -23.107,39.7 -23.21,39.7 -23.334,39.7 -23.542,39.492 -23.832,39.201 -23.852,39.201 -23.852,39.159 -24.143,38.868 -24.311,38.699 -24.311,38.428 -24.311,38.075 -24.391,37.995 -24.391,37.62 -24.391,37.329 -24.35,37.287 -24.311,37.249 -24.311,36.927 -24.311,36.916 -24.06,36.664 -23.868,36.472 -23.868,36.373 -23.708,36.373 -23.479,36.144 -23.293,35.956 -23.21,35.956 -22.941,35.956 -22.858,35.873 -22.775,35.79 -22.402,35.79 -22.008,35.79 -21.967,35.832 -21.925,35.873 -21.698,35.873 -21.594,35.873 -21.511,35.956 -21.345,36.123 -21.242,36.123 -21.186,36.123 -20.985,36.324 -20.739,36.571 -20.641,36.571 -20.641,36.851 -20.454,37.038 -20.33,37.163 -20.33,37.454 -20.33,37.911
no net on Top Layer "GND" (none, remove dead copper, shelved, pour order 7): -67.992,40.968 ccw(c-67.992,42.84) -66.12,42.84 ccw(c-67.992,42.84) -67.992,44.712 ccw(c-67.992,42.84) -69.864,42.84 ccw(c-67.992,42.84)
GND on Bottom Layer "GND" (solid, shelved, pour order 4): 0.215,57.555 2.495,55.275 2.655,55.275 2.655,53.885 0.165,56.375 0.165,57.555
GND on Bottom Layer "GND" (solid, shelved, pour order 6): 2.655,53.885 1.59,54.95 -0.23,54.95 -0.22,54.96 -0.22,54.98 -0.22,54.9 0.06,54.62 1.37,54.62 2.105,53.885 2.655,53.885 2.105,53.885 1.42,54.57 1.42,55.31 0.26,55.31 -0.23,54.82 0.71,54.82 0.93,54.6 0.94,54.59 1.04,54.59 1.48,54.59 1.6,54.47 1.67,54.4 1.67,54.37 1.67,54.35 1.88,54.14 2.105,53.915 2.105,53.885 2.265,53.885 2.31,53.93 2.355,53.885 2.655,53.885 2.655,54.115 0.61,56.16
GND on Bottom Layer "GND" (solid, shelved, pour order 8): 2.655,53.885 1.59,54.95 1.59,55.09 0.08,55.09 -0.13,54.88 0.55,54.88 0.74,54.69
GND on Top Layer "Bottom Layer-No Net" (solid, remove dead copper, pour order 12): -68.14,97.72 -67.6,97.18 -67.6,-15.76 -58.97,-24.39 67.99,-24.39 67.76,-24.16 67.76,102.39
GND on Bottom Layer "Bottom Layer-No Net" (solid, remove dead copper, pour order 16): -60.32,96.64 -60.32,-12.26 -65.98,-17.92 -62.2,-21.7 71.22,-21.7 71.22,92.05 71.76,92.59

## Keep-outs
Keep-Out Layer:
  the board outline again, w0.3

## Other copper
Top Layer:
  region: -31.785,35.348 ccw(c-26.989,37.285) -22.128,35.521 ccw(c-26.919,40.435) -22.067,35.58 ccw(c-22.158,35.67) -22.03,35.67 ccw(c-22.158,35.67) -22.248,35.76 cw(c-26.919,40.435) -31.438,35.612 ccw(c-31.525,35.519) -31.653,35.522 ccw(c-31.667,35.395)
  region: -31.758,39.067 ccw(c-31.661,39.149) -31.571,39.059 cw(c-26.899,34.385) -22.381,39.207 ccw(c-22.293,39.3) -22.183,39.238 ccw(c-22.252,39.344) -22.125,39.344 ccw(c-22.252,39.344) -22.134,39.392 ccw(c-26.929,37.455) -31.795,39.207 ccw(c-31.676,39.164)
  region: -20.813,35.19 cw(c-20.813,37.43) -23.053,37.43 cw(c-20.813,37.43) -20.813,39.67 cw(c-20.813,37.43) -18.573,37.43 cw(c-20.813,37.43)
  region: -26.969,35.095 cw(c-26.969,37.335) -29.209,37.335 cw(c-26.969,37.335) -26.969,39.575 cw(c-26.969,37.335) -24.729,37.335 cw(c-26.969,37.335)
  region: -32.859,35.075 cw(c-32.859,37.315) -35.099,37.315 cw(c-32.859,37.315) -32.859,39.555 cw(c-32.859,37.315) -30.619,37.315 cw(c-32.859,37.315)
  text "NGD" at 38.35,29.34 h4.5 r300

## Silkscreen, mask and mechanical layers (free items; w line width, h text height)
Top Overlay:
  region: -23.946,32.885 cw(c-23.921,33.01) -24.023,33.086 cw(c-23.909,33.03) -23.862,33.148 ccw(c-22.152,37.468) -23.765,33.111 ccw(c-23.051,37.427) -18.677,37.427 ccw(c-23.051,37.427) -23.94,41.71 cw(c-23.965,41.834) -24.09,41.807 cw(c-23.983,41.877) -24.032,41.994 cw(c-22.152,37.468) -17.251,37.468 cw(c-22.152,37.468) -23.83,32.864 cw(c-23.051,37.427)
  region: -29.864,33.053 cw(c-30.581,37.368) -30.01,41.705 ccw(c-29.994,41.831) -29.866,41.831 ccw(c-29.994,41.831) -29.977,41.958 ccw(c-30.581,37.368) -30.037,41.965 ccw(c-30.119,41.868) -30.082,41.99 ccw(c-31.532,37.308) -29.697,32.763 ccw(c-29.745,32.882) -29.618,32.882 ccw(c-29.745,32.882) -29.746,33.009 ccw(c-29.844,32.927)
  lines w0.254: -31.734,39.515 cw(c-26.963,37.741) -22.173,39.464 ; -31.661,35.164 ccw(c-26.965,37.128) -22.145,35.495 ; -31.557,39.354 cw(c-27.005,33.498) -22.325,39.251 ; -31.401,35.461 ccw(c-26.955,41.398) -22.404,35.542 ; -30.435,37.478 ccw(c-32.745,37.358) -30.432,37.375 ; -30.119,41.868 ccw(c-31.532,37.308) -29.745,32.882 ; -29.994,41.831 ccw(c-30.581,37.368) -29.844,32.927 ; -24.575,37.498 ccw(c-26.97,37.376) -24.572,37.395 ; -23.983,41.877 cw(c-22.152,37.468) -23.909,33.03 ; -23.965,41.834 cw(c-23.051,37.427) -23.921,33.01 ; -18.515,37.558 ccw(c-20.825,37.438) -18.512,37.455
  text "b-105" at 12.37,76.61 h3.8 r300
  text "DIE" at -14.19,74.31 h1.8 r60
  text "-" at -15.07,73.19 h1.2 r60
  text "LSI" at -17.01,69.15 h1.8 r60
  text "PIC32MX675F256L" at -6.2,54.63 h0.8
  text "512L" at 2.46,53.36 h0.8
  text "cognitive" at 30.94,42.77 h1.8 r300
  text "5V" at 20.21,34.9 h2
  text "BAT" at 26.61,34.85 h2
  text "COGNITIVE" at -40,31.2 h2
  text "NEXT" at -41,30.01 h2
  text "GENERATION" at -42.22,28.79 h2
  text "DEVICE" at -43.11,27.529 h2
  text "ON" at 23.22,7 h1
  text "OFF" at 23.22,4.58 h1
  text "+" at 16.3,0.06 h1.5
  text "-" at 10.81,-0.15 h2
Bottom Overlay:
  drawing of 13 lines, arcs and shapes, not listed
  text "Agustin Tena Garcia" at -32.44,43.88 h1 r60
  text "agus@die.upm.es" at -31.85,41.07 h1 r60
  text "b105" at -31.53,36.92 h2.5 r60
Top Solder:
  region: -31.778,39.121 ccw(c-31.681,39.204) -31.591,39.114 cw(c-26.92,34.439) -22.401,39.262 ccw(c-22.314,39.355) -22.203,39.292 ccw(c-22.272,39.399) -22.145,39.399 ccw(c-22.272,39.399) -22.154,39.446 ccw(c-26.95,37.509) -31.816,39.261 ccw(c-31.696,39.218)
  region: -32.88,35.129 cw(c-32.88,37.369) -35.12,37.369 cw(c-32.88,37.369) -32.88,39.609 cw(c-32.88,37.369) -30.64,37.369 cw(c-32.88,37.369)
  region: -26.99,35.149 cw(c-26.99,37.389) -29.23,37.389 cw(c-26.99,37.389) -26.99,39.629 cw(c-26.99,37.389) -24.75,37.389 cw(c-26.99,37.389)
  region: -20.834,35.245 cw(c-20.834,37.485) -23.074,37.485 cw(c-20.834,37.485) -20.834,39.725 cw(c-20.834,37.485) -18.594,37.485 cw(c-20.834,37.485)
  region: -31.805,35.402 ccw(c-27.01,37.339) -22.148,35.575 ccw(c-26.94,40.489) -22.088,35.635 ccw(c-22.178,35.725) -22.05,35.725 ccw(c-22.178,35.725) -22.268,35.815 cw(c-26.94,40.489) -31.458,35.667 ccw(c-31.545,35.574) -31.673,35.576 ccw(c-31.687,35.45)
  lines w0.254: -31.696,39.218 cw(c-26.95,37.509) -22.272,39.399 ; -31.687,35.45 ccw(c-27.01,37.339) -22.263,35.63 ; -31.681,39.204 cw(c-26.92,34.439) -22.314,39.355 ; -31.545,35.574 ccw(c-26.94,40.489) -22.178,35.725
  text "NGD" at 38.35,29.33 h4.5 r300

## Text inside footprints (layer, text, board x,y; h text height)
"bat 3.6": Bottom Overlay "30.3mm" at 5.24,22.06 h1.52; Bottom Overlay "20mm" at 14.26,34.48 h1.52 r90
hd40: Top Overlay "00.INT2" at -14.01,65.83 h0.75; Top Overlay "19.VREF+" at -13.47,64.7 h0.75; Top Overlay "01.CN7/VBUSON" at -14.83,63.61 h0.75; Top Overlay "18.VREF-" at -14.15,62.44 h0.75; Top Overlay "02.CN5" at -15.96,61.35 h0.75; Top Overlay "17.AN14/RB14" at -15.19,60.22 h0.75; Top Overlay "03.ET_ERXERR" at -17.41,59.04 h0.75; Top Overlay "16.AN15/RB15" at -16.82,58 h0.75; Top Overlay "04.ET_ERXD0" at -18.58,56.87 h0.75; Top Overlay "15.GND" at -18,55.68 h0.75; Top Overlay "05.ET_ERXD1/AN13/RB13" at -19.89,54.78 h0.55; Top Overlay "06.USB_ID" at -20.94,52.49 h0.75; Top Overlay "07.VBUS" at -22.16,50.31 h0.75; Top Overlay "08.nMCLR" at -23.61,47.82 h0.75; Top Overlay "09.ET_EMDIO/IC1" at -24.92,45.56 h0.75; Top Overlay "14.VCC" at -19.29,53.54 h0.75; Top Overlay "13.USB_D-" at -20.34,51.35 h0.75; Top Overlay "12.USB_D+" at -21.8,49 h0.75; Top Overlay "11.I2C2_SCL" at -22.7,46.69 h0.75; Top Overlay "10.I2C2_SDA" at -23.97,44.29 h0.75; Top Overlay "ET_EREFCLK/U3_nCTS/U6_RX.20" at -4.01,65.05 h0.65; Top Overlay "CN6.39" at 9.52,66.18 h0.75; Top Overlay "VCC.24" at 13.72,56 h0.75; Top Overlay "ET_ETXD0.25" at 11.42,53.81 h0.75; Top Overlay "ET_ETXD1.26" at 12.61,51.69 h0.75; Top Overlay "ET_EMDC.27" at 14.42,49.09 h0.75; Top Overlay "VCC.28" at 19.09,46.62 h0.75; Top Overlay "BAT+.29" at 18.78,44.46 h0.75; Top Overlay "SDO2/ET_ECRSDV/U3_TX/SCL4.38" at -3.36,63.99 h0.65; Top Overlay "RE6.35" at 13.88,57.17 h0.75; Top Overlay "BAT-.30" at 20,45.63 h0.75; Top Overlay "GND.31" at 18.91,48.01 h0.75; Top Overlay "IC2/RD9.32" at 14.94,50.35 h0.75; Top Overlay "ET_ETXEN.33" at 12.87,52.76 h0.75; Top Overlay "GND.34" at 15.32,54.94 h0.75; Top Overlay "SDI2/U3_RX/SDA4.21" at 4.35,62.75 h0.6; Top Overlay "RE7.22" at 10.76,60.62 h0.75; Top Overlay "RE5.23" at 12.3,58.36 h0.75; Top Overlay "SCK2/U3_nRTS/U6_TX.37" at 4.47,61.86 h0.55; Top Overlay "RC1.36" at 12.61,59.57 h0.75